# KiCad board UniDebug.kicad_pcb (continued)
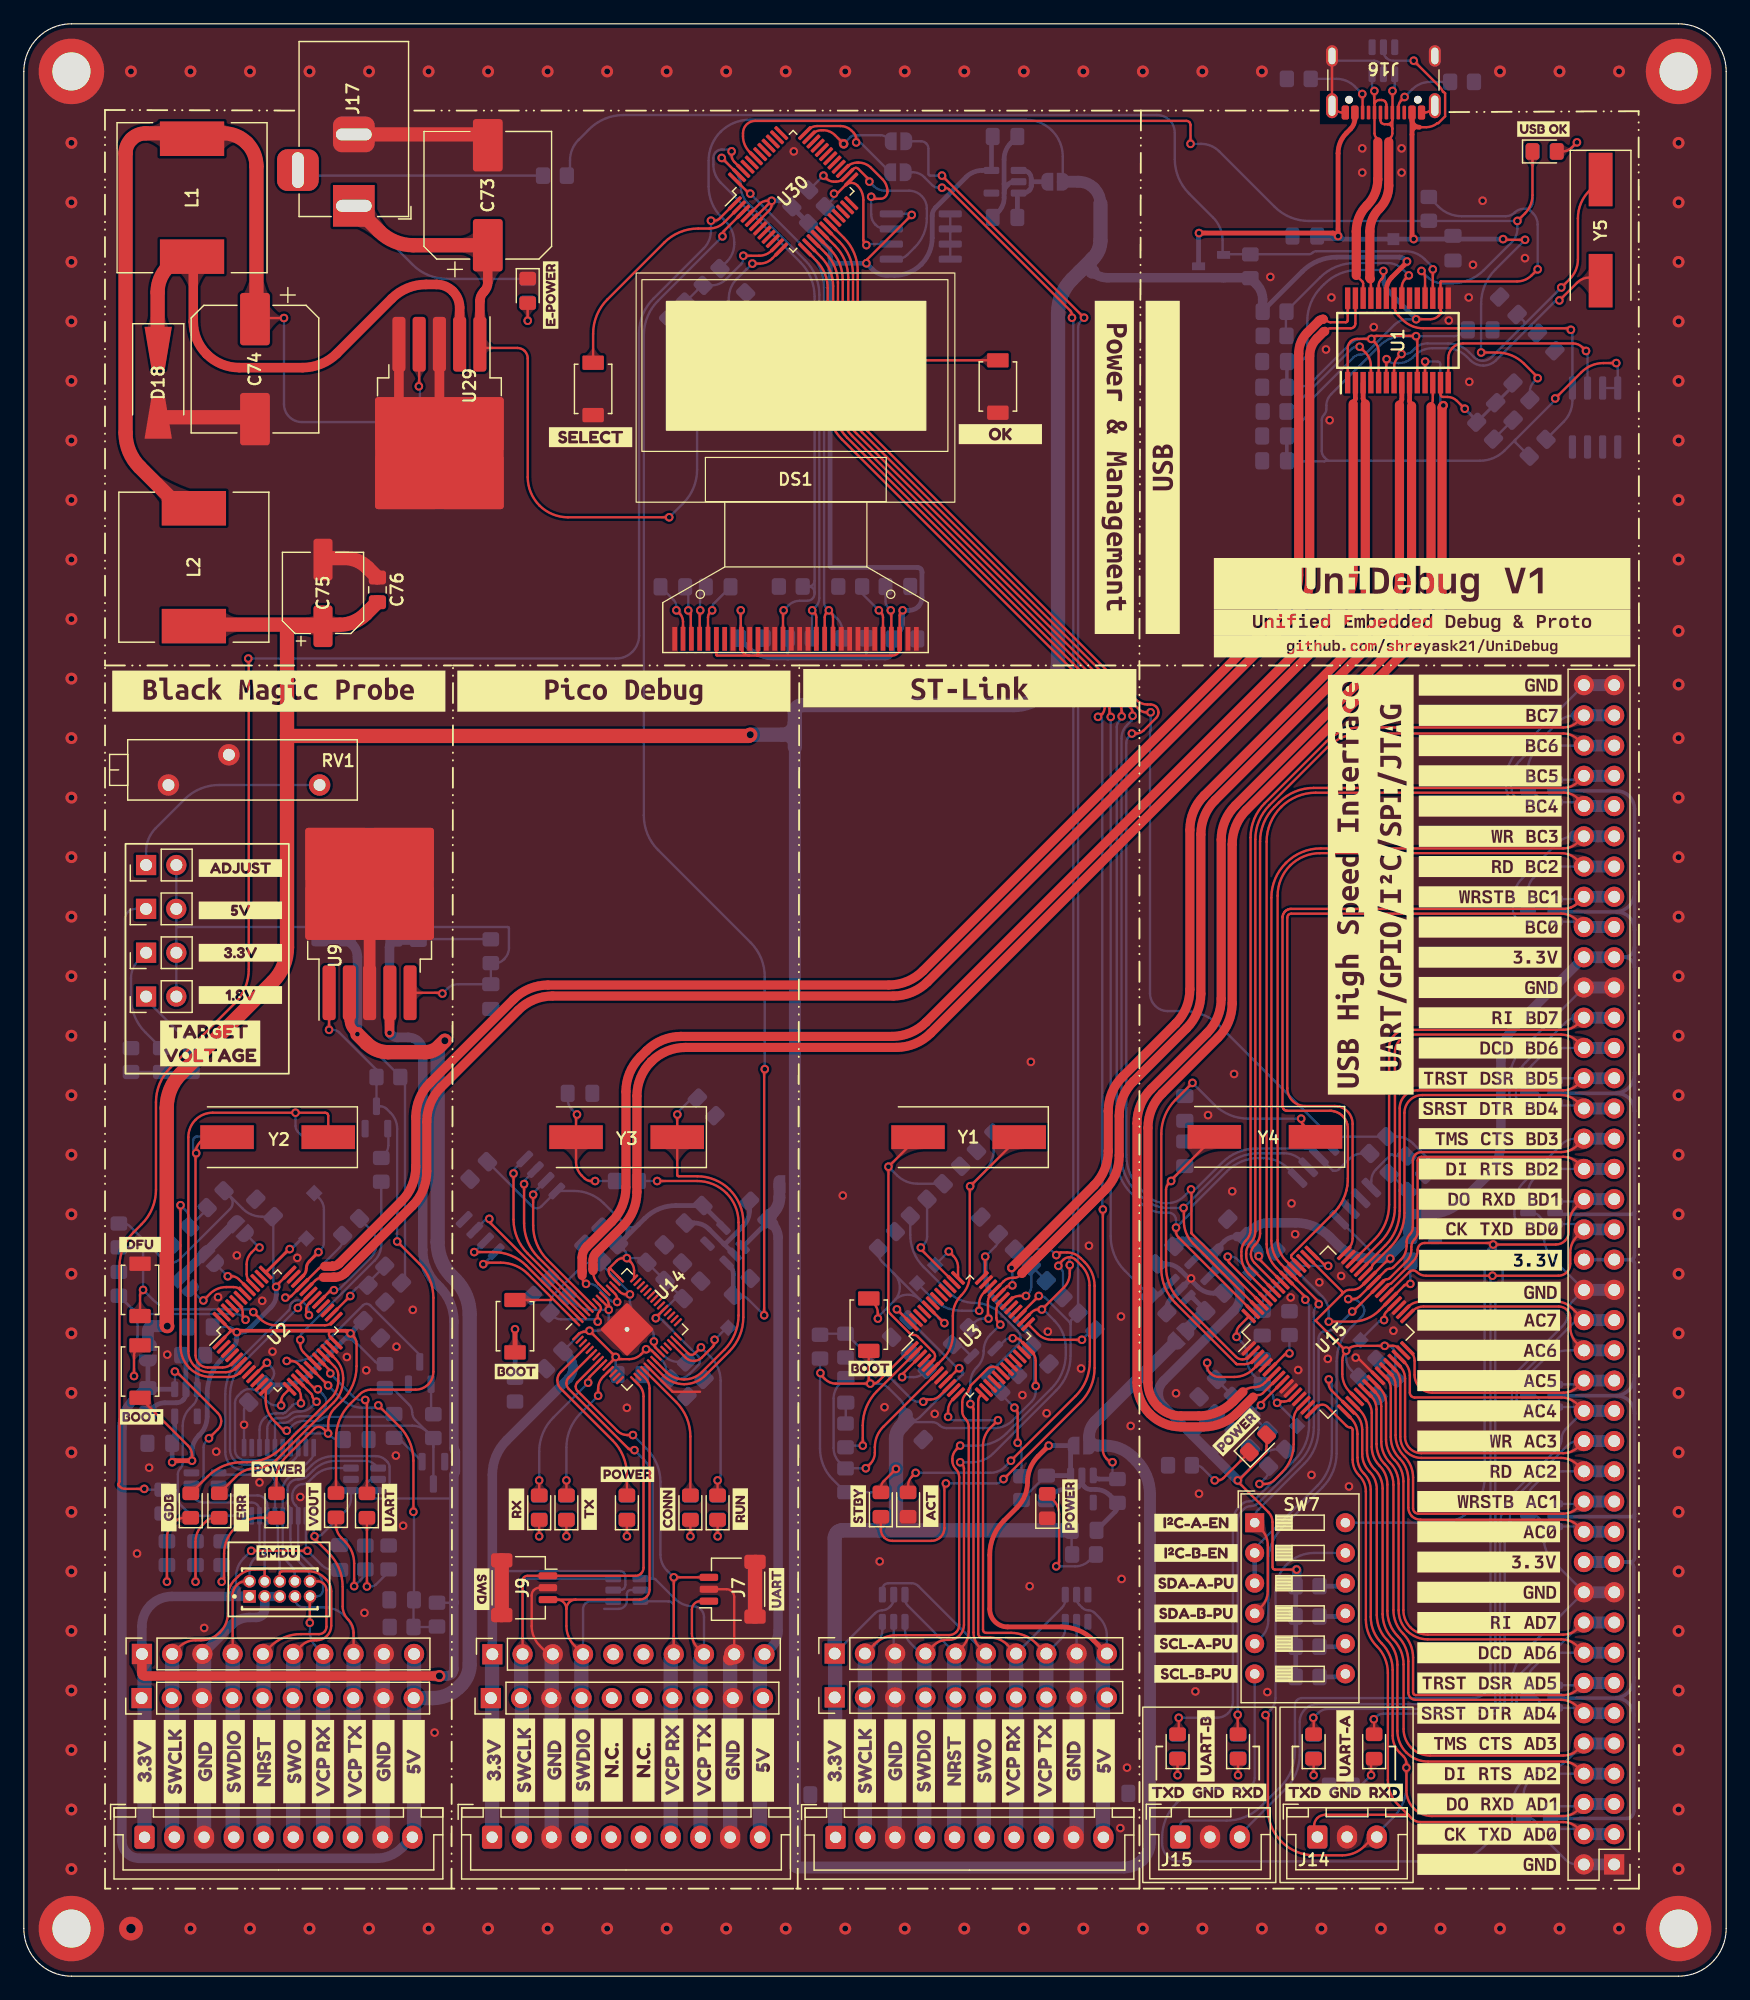
[diagram p0: board, top side]
## Placement (name value [footprint] x y rotation side) (continued)
kibuzzard-658482B5  G***  [kibuzzard-658482B5]  49.39 18.15 90 top
kibuzzard-658482C0  G***  [kibuzzard-658482C0]  52.06 18.15 90 top
kibuzzard-658482F2  G***  [kibuzzard-658482F2]  63.23 32.5 90 top
kibuzzard-658835E8  G***  [kibuzzard-658835E8]  91.6 126.74 270 top
kibuzzard-658892E2  G***  [kibuzzard-658892E2]  47.61 129.28 0 top
kibuzzard-658892F7  G***  [kibuzzard-658892F7]  82.03 129.53 0 top
kibuzzard-6584807D  G***  [kibuzzard-6584807D]  60.18 39.23 90 top
kibuzzard-65844230  G***  [kibuzzard-65844230]  79.46 108.2 0 top
kibuzzard-65848076  G***  [kibuzzard-65848076]  54.09 39.23 90 top
kibuzzard-65848304  G***  [kibuzzard-65848304]  38.47 32.5 270 top
kibuzzard-65848476  G***  [kibuzzard-65848476]  50.4 107.94 0 top
kibuzzard-65848611  G***  [kibuzzard-65848611]  9.89 46.98 0 top
kibuzzard-65848611#2  G***  [kibuzzard-65848611]  41.39 50.79 0 top
kibuzzard-65848611#3  G***  [kibuzzard-65848611]  71.11 51.05 0 top
kibuzzard-65883624  G***  [kibuzzard-65883624]  95.67 126.74 90 top
kibuzzard-65889340  G***  [kibuzzard-65889340]  9.76 61.46 0 top
L1  33uH  [L_12x12mm_H4.5mm]  14.13 149.39 90 top
L2  3uH  [L_12x12mm_H4.5mm]  14.29 118.36 270 top
Q1  BC847  [SOT-23]  80.94 52.06 45 bottom
Q2  BC847  [SOT-23]  34.4 42.28 270 bottom
Q3  BC847  [SOT-23]  33.26 50.66 90 bottom
Q4  BC847  [SOT-23]  29.62 72.13 90 bottom
Q5  DMP2305U-7  [SOT96P240X110-3N]  99.73 143.63 180 bottom
R1  100K  [R_0805_2012Metric_Pad1.20x1.40mm_HandSolder]  69.03 41.65 90 bottom
R2  100K  [R_0805_2012Metric_Pad1.20x1.40mm_HandSolder]  72.5 61.84 225 bottom
R3  10K  [R_0805_2012Metric_Pad1.20x1.40mm_HandSolder]  66.88 52.88 270 bottom
R4  10K  [R_0805_2012Metric_Pad1.20x1.40mm_HandSolder]  69.03 52.97 90 bottom
R5  10K  [R_0805_2012Metric_Pad1.20x1.40mm_HandSolder]  69.03 45.43 270 bottom
R6  10K  [R_0805_2012Metric_Pad1.20x1.40mm_HandSolder]  75.17 51.68 315 bottom
R7  100E  [R_0805_2012Metric_Pad1.20x1.40mm_HandSolder]  75.17 64.56 45 bottom
R8  2K  [R_0805_2012Metric_Pad1.20x1.40mm_HandSolder]  78.71 53.77 225 bottom
R9  36K  [R_0805_2012Metric_Pad1.20x1.40mm_HandSolder]  82.78 49.83 45 bottom
R10  10K  [R_0805_2012Metric_Pad1.20x1.40mm_HandSolder]  83.81 41 270 bottom
R11  100E  [R_0805_2012Metric_Pad1.20x1.40mm_HandSolder]  89.27 54.98 135 bottom
R12  330E  [R_0805_2012Metric_Pad1.20x1.40mm_HandSolder]  83.92 60.37 315 bottom
R13  330E  [R_0805_2012Metric_Pad1.20x1.40mm_HandSolder]  86.59 57.7 135 bottom
R14  330E  [R_0805_2012Metric_Pad1.20x1.40mm_HandSolder]  89.06 35.43 0 bottom
R15  10K  [R_0805_2012Metric_Pad1.20x1.40mm_HandSolder]  57.26 137.91 225 bottom
R16  10K  [R_0805_2012Metric_Pad1.20x1.40mm_HandSolder]  57.77 142.74 45 bottom
R17  10K  [R_0805_2012Metric_Pad1.20x1.40mm_HandSolder]  59.93 140.71 225 bottom
R18  10K  [R_0805_2012Metric_Pad1.20x1.40mm_HandSolder]  54.87 139.93 45 bottom
R19  330E  [R_0805_2012Metric_Pad1.20x1.40mm_HandSolder]  97.11 42.92 180 bottom
R20  100K  [R_0805_2012Metric_Pad1.20x1.40mm_HandSolder]  16.11 65.27 225 bottom
R21  100K  [R_0805_2012Metric_Pad1.20x1.40mm_HandSolder]  7.99 58.16 270 bottom
R24  1K  [R_0805_2012Metric_Pad1.20x1.40mm_HandSolder]  27.49 62.93 225 bottom
R25  10K  [R_0805_2012Metric_Pad1.20x1.40mm_HandSolder]  7.99 62.22 90 bottom
R26  10K  [R_0805_2012Metric_Pad1.20x1.40mm_HandSolder]  30.34 50.41 270 bottom
R27  10K  [R_0805_2012Metric_Pad1.20x1.40mm_HandSolder]  31.1 46.22 270 bottom
R28  100K  [R_0805_2012Metric_Pad1.20x1.40mm_HandSolder]  34.4 46.2 90 bottom
R29  10K  [R_0805_2012Metric_Pad1.20x1.40mm_HandSolder]  29.62 57.33 315 bottom
R30  5.1K  [R_0805_2012Metric_Pad1.20x1.40mm_HandSolder]  31.02 58.93 135 bottom
R31  10K  [R_0805_2012Metric_Pad1.20x1.40mm_HandSolder]  91.86 40.76 90 bottom
R32  1k  [R_0805_2012Metric_Pad1.20x1.40mm_HandSolder]  41.26 49.27 270 bottom
R33  330E  [R_0805_2012Metric_Pad1.20x1.40mm_HandSolder]  16.62 35.53 90 bottom
R34  10K  [R_0805_2012Metric_Pad1.20x1.40mm_HandSolder]  30.62 75.53 180 bottom
R35  10K  [R_0805_2012Metric_Pad1.20x1.40mm_HandSolder]  30.02 67.73 90 bottom
R36  1K  [R_0805_2012Metric_Pad1.20x1.40mm_HandSolder]  50.66 66.79 180 bottom
R39  330E  [R_0805_2012Metric_Pad1.20x1.40mm_HandSolder]  11.54 76.95 270 bottom
R40  10K  [R_0805_2012Metric_Pad1.20x1.40mm_HandSolder]  14.22 52.17 0 bottom
R41  10K  [R_0805_2012Metric_Pad1.20x1.40mm_HandSolder]  31.74 29.33 180 bottom
R42  5.1K  [R_0805_2012Metric_Pad1.20x1.40mm_HandSolder]  34.71 30.37 270 bottom
R43  200E  [R_0805_2012Metric_Pad1.20x1.40mm_HandSolder]  39.23 86.1 270 bottom
R44  100E  [R_0805_2012Metric_Pad1.20x1.40mm_HandSolder]  14.08 76.95 270 bottom
R45  620E  [R_0805_2012Metric_Pad1.20x1.40mm_HandSolder]  9 76.95 270 bottom
R46  330E  [R_0805_2012Metric_Pad1.20x1.40mm_HandSolder]  30.64 35.17 90 bottom
R47  10K  [R_0805_2012Metric_Pad1.20x1.40mm_HandSolder]  11.67 39.87 270 bottom
R48  330E  [R_0805_2012Metric_Pad1.20x1.40mm_HandSolder]  12.02 35.53 90 bottom
R49  330E  [R_0805_2012Metric_Pad1.20x1.40mm_HandSolder]  14.42 35.53 90 bottom
R50  330E  [R_0805_2012Metric_Pad1.20x1.40mm_HandSolder]  28.69 35.17 90 bottom
R55  330E  [R_0805_2012Metric_Pad1.20x1.40mm_HandSolder]  50.66 39.36 90 bottom
R56  330E  [R_0805_2012Metric_Pad1.20x1.40mm_HandSolder]  43.29 39.36 90 bottom
R57  330E  [R_0805_2012Metric_Pad1.20x1.40mm_HandSolder]  45.58 39.36 90 bottom
R58  330E  [R_0805_2012Metric_Pad1.20x1.40mm_HandSolder]  55.99 39.36 90 bottom
R59  330E  [R_0805_2012Metric_Pad1.20x1.40mm_HandSolder]  58.28 39.36 90 bottom
R60  10K  [R_0805_2012Metric_Pad1.20x1.40mm_HandSolder]  60.31 57.9 225 bottom
R61  1K  [R_0805_2012Metric_Pad1.20x1.40mm_HandSolder]  105.27 43.55 45 bottom
R62  12.00K  [R_0805_2012Metric_Pad1.20x1.40mm_HandSolder]  106.31 54.86 90 bottom
R63  2K  [R_0805_2012Metric_Pad1.20x1.40mm_HandSolder]  113.78 69.82 45 bottom
R64  10K  [R_0805_2012Metric_Pad1.20x1.40mm_HandSolder]  116.95 66.64 45 bottom
R67  330E  [R_0805_2012Metric_Pad1.20x1.40mm_HandSolder]  110.63 15.99 180 bottom
R68  330E  [R_0805_2012Metric_Pad1.20x1.40mm_HandSolder]  108.35 19.3 90 bottom
R69  330E  [R_0805_2012Metric_Pad1.20x1.40mm_HandSolder]  102 19.3 90 bottom
R70  330E  [R_0805_2012Metric_Pad1.20x1.40mm_HandSolder]  96.92 19.3 90 bottom
R71  10K  [R_0805_2012Metric_Pad1.20x1.40mm_HandSolder]  95.32 56.43 135 bottom
R72  680.00E  [R_0805_2012Metric_Pad1.20x1.40mm_HandSolder]  105.06 131.44 180 bottom
R73  10K  [R_0805_2012Metric_Pad1.20x1.40mm_HandSolder]  105.06 139.82 180 bottom
R74  20K  [R_0805_2012Metric_Pad1.20x1.40mm_HandSolder]  105.06 137.79 180 bottom
R75  1K  [R_0805_2012Metric_Pad1.20x1.40mm_HandSolder]  44.61 151.25 0 bottom
R76  100K  [R_0805_2012Metric_Pad1.20x1.40mm_HandSolder]  103.03 143.63 90 bottom
R77  5.1K  [R_0805_2012Metric_Pad1.20x1.40mm_HandSolder]  107.1 159.38 0 bottom
R78  5.1K  [R_0805_2012Metric_Pad1.20x1.40mm_HandSolder]  120.81 159.12 0 bottom
R79  10K  [R_0805_2012Metric_Pad1.20x1.40mm_HandSolder]  125.8 133.12 315 bottom
R80  100K  [R_0805_2012Metric_Pad1.20x1.40mm_HandSolder]  122.75 129.82 135 bottom
R81  330E  [R_0805_2012Metric_Pad1.20x1.40mm_HandSolder]  127.75 153.27 0 bottom
R82  100K  [R_0805_2012Metric_Pad1.20x1.40mm_HandSolder]  118.02 148.46 270 bottom
R83  1K  [R_0805_2012Metric_Pad1.20x1.40mm_HandSolder]  127.16 128.39 225 bottom
R84  330E  [R_0805_2012Metric_Pad1.20x1.40mm_HandSolder]  32.07 130.55 180 bottom
R85  1K  [R_0805_2012Metric_Pad1.20x1.40mm_HandSolder]  35.82 130.55 180 bottom
R86  2K  [R_0805_2012Metric_Pad1.20x1.40mm_HandSolder]  42.33 141.57 270 bottom
R87  560K  [R_0805_2012Metric_Pad1.20x1.40mm_HandSolder]  69.42 116.73 0 bottom
R88  10K  [R_0805_2012Metric_Pad1.20x1.40mm_HandSolder]  64.42 116.73 0 bottom
R89  10K  [R_0805_2012Metric_Pad1.20x1.40mm_HandSolder]  65.19 112.39 0 bottom
R90  10K  [R_0805_2012Metric_Pad1.20x1.40mm_HandSolder]  69.76 112.39 180 bottom
R91  10K  [R_0805_2012Metric_Pad1.20x1.40mm_HandSolder]  65.22 149.33 45 bottom
R92  10K  [R_0805_2012Metric_Pad1.20x1.40mm_HandSolder]  66.62 147.93 45 bottom
R93  5.1K  [R_0805_2012Metric_Pad1.20x1.40mm_HandSolder]  107.84 32.76 0 bottom
R94  5.1K  [R_0805_2012Metric_Pad1.20x1.40mm_HandSolder]  107.84 30.22 0 bottom
R95  5.1K  [R_0805_2012Metric_Pad1.20x1.40mm_HandSolder]  107.84 27.68 0 bottom
R96  5.1K  [R_0805_2012Metric_Pad1.20x1.40mm_HandSolder]  107.84 25.14 0 bottom
RV1  1K  [Potentiometer_Bourns_3006P_Horizontal]  24.85 100.06 0 top
SW1  BUTTON  [TS342A2P]  70.98 54.73 90 top
SW2  BUTTON  [TS342A2P]  9.76 50.79 90 top
SW3  BUTTON  [TS342A2P]  9.76 57.65 90 top
SW4  BUTTON  [TS342A2P]  41.26 54.6 270 top
SW5  BUTTON  [TS342A2P]  47.82 133.33 90 top
SW6  BUTTON  [TS342A2P]  81.82 133.53 90 top
SW7  SW_DIP_x04  [SW_DIP_SPSTx06_Slide_9.78x17.42mm_W7.62mm_P2.54mm]  103.39 38.09 0 top
TP1  SWCLK  [TestPoint_Pad_1.0x1.0mm]  76.55 59.74 225 bottom
TP2  SWDIO  [TestPoint_Pad_1.0x1.0mm]  75.03 58.21 225 bottom
TP6  SWCLK  [TestPoint_Pad_1.0x1.0mm]  23.73 61.97 225 bottom
TP7  SWDIO  [TestPoint_Pad_1.0x1.0mm]  24.39 65.78 225 bottom
TP13  RST  [TestPoint_Pad_1.0x1.0mm]  59.17 54.47 45 bottom
TP14  PWREN  [TestPoint_Pad_1.0x1.0mm]  103.03 59.1 225 bottom
TP17  SUS  [TestPoint_Pad_1.0x1.0mm]  112.28 53.43 225 bottom
TP18  1V8  [TestPoint_Pad_1.0x1.0mm]  106.95 46.22 225 bottom
TP21  USBVBUS  [TestPoint_Pad_1.0x1.0mm]  115.05 145.91 180 bottom
U1  -  [GL850G-HH]  115.43 137.41 90 top
U2  STM32F103CBTx  [LQFP-48_7x7mm_P0.5mm]  21.32 54.22 45 top
U3  STM32F103CBTx  [LQFP-48_7x7mm_P0.5mm]  79.47 53.77 45 top
U4  LP5907MFX-3.3  [SOT-23-5]  88.88 40.92 270 bottom
U5  SRV05-4  [SOT-23-6]  73.07 30.91 90 bottom
U6  SRV05-4  [SOT-23-6]  88.44 30.91 90 bottom
U7  SRV05-4  [SOT-23-6]  28.62 41.73 0 bottom
U8  SRV05-4  [SOT-23-6]  15.22 41.33 180 bottom
U9  MIC29302WU  [TO-263-5_TabPin3]  29.05 90.26 90 top
U10  TXS0108EPW  [TSSOP-20_4.4x6.5mm_P0.65mm]  21.42 41.53 90 bottom
U11  SRV05-4  [SOT-23-6]  50.65 32.44 180 bottom
U12  LP5907MFX-3.3  [SOT-23-5]  13.62 48.17 270 bottom
U13  W25Q128JVS  [SOIC-8_5.23x5.23mm_P1.27mm]  40.88 64.76 45 bottom
U14  RP2040  [RP2040-QFN-56]  50.67 54.34 45 top
U15  FT2232HL  [LQFP-64_10x10mm_P0.5mm]  109.55 54.09 45 top
U16  LP5907MFX-3.3  [SOT-23-5]  58.91 61.4 135 bottom
U17  93LC66B  [SOIC-8_3.9x4.9mm_P1.27mm]  110.09 66.64 315 bottom
U18  SRV05-4  [SOT-23-6]  127.49 99.56 0 bottom
U19  SRV05-4  [SOT-23-6]  127.49 89.53 0 bottom
U20  SRV05-4  [SOT-23-6]  127.49 74.29 0 bottom
U21  SRV05-4  [SOT-23-6]  127.49 64.13 0 bottom
U22  SRV05-4  [SOT-23-6]  127.49 48.76 0 bottom
U23  SRV05-4  [SOT-23-6]  127.49 38.73 0 bottom
U24  SRV05-4  [SOT-23-6]  127.49 23.49 0 bottom
U25  SRV05-4  [SOT-23-6]  127.11 13.33 0 bottom
U26  LP5907MFX-3.3  [SOT-23-5]  97.96 58.52 45 bottom
U27  SRV05-4  [SOT-23-6]  114.21 160.9 90 bottom
U28  M24C02-FMN  [SOIC-8_3.9x4.9mm_P1.27mm]  131.99 130.93 90 bottom
U29  LM2596S-5  [TO-263-5_TabPin3]  34.91 129.43 270 top
U30  STM32G030C6Tx  [LQFP-48_7x7mm_P0.5mm]  64.62 149.93 45 top
U31  24LC128  [SOIC-8_3.9x4.9mm_P1.27mm]  75.35 146.13 180 bottom
U32  LP5907MFX-3.3  [SOT-23-5]  82.42 150.73 180 bottom
Y1  8M  [Crystal_SMD_HC49-SD]  79.36 70.48 180 top
Y2  8M  [Crystal_SMD_HC49-SD]  21.32 70.48 180 top
Y3  12MHz  [Crystal_SMD_HC49-SD]  50.64 70.48 180 top
Y4  12MHz  [Crystal_SMD_HC49-SD]  104.25 70.5 180 top
Y5  12MHz  [Crystal_SMD_HC49-SD]  132.45 146.67 270 top

## Library data of the parts
C1-C45 C47-C53 C56-C72 C76-C83 = -: Description: Unpolarized capacitor
C73-C75 = -: Description: Polarized capacitor, small US symbol
D1-D17 D19-D21 = -: Description: Light emitting diode
D18 = -: Description: Schottky diode
DS1 = -: Description: OLED display 128x64
FB1 FB2 = -: Description: Ferrite bead, small symbol
H1-H4 = -: Description: Mounting Hole with connection
J1-J6 J10-J12 = -: Description: Generic connector, single row, 01x10, script generated (kicad-library-utils/schlib/autogen/connector/)
J7 J9 = -: Description: Generic connectable mounting pin connector, single row, 01x03, script generated (kicad-library-utils/schlib/autogen/connector/)
J8 = -: MANUFACTURER: SAMTEC; PARTREV: B; STANDARD: Manufacturer Recommendations
J13 = -: Description: Generic connector, double row, 02x40, odd/even pin numbering scheme (row 1 odd numbers, row 2 even numbers), script generated (kicad-library-utils/schlib/autogen/connector/)
J14 J15 = -: Description: Generic connector, single row, 01x03, script generated (kicad-library-utils/schlib/autogen/connector/)
J16 = -: Description: USB 2.0-only Type-C Receptacle connector
J17 = -: Description: DC Barrel Jack with an internal switch
JP1-JP6 JP11-JP14 = -: Description: Solder Jumper, 2-pole, closed/bridged
JP7 = -: Description: Jumper, 2-pole, closed/bridged
JP8-JP10 = -: Description: Jumper, 2-pole, open
L1 L2 = -: Description: Inductor
Q1-Q4 = -: Description: 0.1A Ic, 45V Vce, NPN Transistor, SOT-23
Q5 = -: Description: MOSFET P-Channel 20V 4.2A SOT23 Diodes Inc DMP2305U-7 P-channel MOSFET Transistor, 4.2 A, -20 V, 3-Pin SOT-23; Arrow Price/Stock: https://www.arrow.com/en/products/dmp2305u-7/diodes-incorporated?region=nac; Height: 1.1; Manufacturer_Name: Diodes Incorporated; Mouser Part Number: 621-DMP2305U-7; Mouser Price/Stock: https://www.mouser.co.uk/ProductDetail/Diodes-Incorporated/DMP2305U-7?qs=oUsD4qhOtFyFQmlG8wLVjw%3D%3D
R1-R21 R24-R36 R39-R50 R55-R64 R67-R96 = -: Description: Resistor
RV1 = -: Description: Trim-potentiometer, US symbol
SW1-SW6 = -: Description: Push button switch, normally open, two pins, 45° tilted
SW7 = -: Description: 6x DIP Switch, Single Pole Single Throw (SPST) switch, small symbol
TP1 TP2 TP6 TP7 TP13 TP14 TP17 TP18 TP21 = -: Description: test point (alternative probe-style design)
U1 = -: Description: GL850G USB 2.0 Low-Power HUB Controller, SSOP-28; Height: 2; Manufacturer_Name: Genesys
U2 U3 = -: Description: STMicroelectronics Arm Cortex-M3 MCU, 128KB flash, 20KB RAM, 72 MHz, 2.0-3.6V, 37 GPIO, LQFP48
U4 U12 U16 U26 U32 = -: Description: 250-mA Ultra-Low-Noise Low-IQ LDO, 3.3V, SOT-23
U5-U8 U11 U18-U25 U27 = -: Description: ESD Protection Diodes with Low Clamping Voltage, SOT-23-6
U9 = -: Description: 3A low dropout linear regulator, adjustable output, TO-263
U10 = -: Description: Bidirectional  level-shifting voltage translator, TSSOP-20
U13 = -: Description: 128Mb Serial Flash Memory, Standard/Dual/Quad SPI, SOIC-8
U15 = -: Description: Hi Speed Double Channel USB UART/FIFO, LQFP-64
U17 = -: Description: Serial EEPROM, 93 Series, 2.5V, DIP-8/SOIC-8
U28 = -: Description: 2Kb (256x8) I2C Serial EEPROM, 1.6-5.5V, SOIC-8
U29 = -: Description: 5V 3A Step-Down Voltage Regulator, TO-263
U30 = -: Description: STMicroelectronics Arm Cortex-M0+ MCU, 32KB flash, 8KB RAM, 64 MHz, 2.0-3.6V, 43 GPIO, LQFP48
U31 = -: Description: I2C Serial EEPROM, 128Kb, DIP-8/SOIC-8/TSSOP-8/DFN-8
Y1-Y5 = -: Description: Two pin crystal, small symbol

## Footprints (pads in the part's own frame, mm; a bottom-side part is the same pattern mirrored in y, then rotated)
BarrelJack_Horizontal
  rect 3.5x3.5 hole 1x3: 1(0,0)
  rrect 3x3.5 hole 1x3: 2(-6,0)
  rrect 3.5x3.5 hole 3x1: 3(-3,-4.7)
C_0805_2012Metric_Pad1.18x1.45mm_HandSolder
  rrect 1.175x1.45 smd: 1(-1.038,0) 2(1.038,0)
CP_Elec_6.3x5.4
  rrect 3.5x1.6 smd: 1(-2.8,0) 2(2.8,0)
CP_Elec_10x10.5
  rrect 4.4x2.5 smd: 1(-4.2,0) 2(4.2,0)
Crystal_SMD_HC49-SD
  rect 4.5x2 smd: 1(-4.25,0) 2(4.25,0)
D_SMA-SMB_Universal_Handsoldering
  trapezoid 3.6x1.7 smd: 1(-2.9,0) 2(2.9,0)
FTSH-105-01-L-D
  rect 1.06x1.06 hole 0.71: 01(0,0)
  round 1.06 hole 0.71: 02(0,1.27) 03(1.27,0) 04(1.27,1.27) 05(2.54,0) 06(2.54,1.27) 07(3.81,0) 08(3.81,1.27) 09(5.08,0) 10(5.08,1.27)
GL850G-HH
  rect 1.8x0.45 smd: 1(-3.55,4.225) 2(-3.55,3.575) 3(-3.55,2.925) 4(-3.55,2.275) 5(-3.55,1.625) 6(-3.55,0.975) 7(-3.55,0.325) 8(-3.55,-0.325) 9(-3.55,-0.975) 10(-3.55,-1.625) 11(-3.55,-2.275) 12(-3.55,-2.925) 13(-3.55,-3.575) 14(-3.55,-4.225) 15(3.55,-4.225) 16(3.55,-3.575) 17(3.55,-2.925) 18(3.55,-2.275) 19(3.55,-1.625) 20(3.55,-0.975) 21(3.55,-0.325) 22(3.55,0.325) 23(3.55,0.975) 24(3.55,1.625) 25(3.55,2.275) 26(3.55,2.925) 27(3.55,3.575) 28(3.55,4.225)
JST_SH_SM03B-SRSS-TB_1x03-1MP_P1.00mm_Horizontal
  rrect 0.6x1.55 smd: 1(-1,2) 2(0,2) 3(1,2)
  rrect 1.2x1.8 smd: MP(-2.3,-1.875) MP(2.3,-1.875)
JST_XH_B3B-XH-A_1x03_P2.50mm_Vertical
  rrect 1.7x1.95 hole 0.95: 1(0,0)
  oval 1.7x1.95 hole 0.95: 2(2.5,0) 3(5,0)
JST_XH_B10B-XH-A_1x10_P2.50mm_Vertical
  rrect 1.7x1.95 hole 0.95: 1(0,0)
  oval 1.7x1.95 hole 0.95: 2(2.5,0) 3(5,0) 4(7.5,0) 5(10,0) 6(12.5,0) 7(15,0) 8(17.5,0) 9(20,0) 10(22.5,0)
L_12x12mm_H4.5mm
  rect 2.9x5.4 smd: 1(-4.95,0) 2(4.95,0)
L_0805_2012Metric_Pad1.15x1.40mm_HandSolder
  rrect 1.15x1.4 smd: 1(-1.025,0) 2(1.025,0)
LED_0805_2012Metric_Pad1.15x1.40mm_HandSolder
  rrect 1.15x1.4 smd: 1(-1.025,0) 2(1.025,0)
LQFP-48_7x7mm_P0.5mm
  rrect 1.475x0.3 smd: 1(-4.162,2.75) 2(-4.162,2.25) 3(-4.162,1.75) 4(-4.162,1.25) 5(-4.162,0.75) 6(-4.162,0.25) 7(-4.162,-0.25) 8(-4.162,-0.75) 9(-4.162,-1.25) 10(-4.162,-1.75) 11(-4.162,-2.25) 12(-4.162,-2.75) 25(4.162,-2.75) 26(4.162,-2.25) 27(4.162,-1.75) 28(4.162,-1.25) 29(4.162,-0.75) 30(4.162,-0.25) 31(4.162,0.25) 32(4.162,0.75) 33(4.162,1.25) 34(4.162,1.75) 35(4.162,2.25) 36(4.162,2.75)
  rrect 0.3x1.475 smd: 13(-2.75,-4.162) 14(-2.25,-4.162) 15(-1.75,-4.162) 16(-1.25,-4.162) 17(-0.75,-4.162) 18(-0.25,-4.162) 19(0.25,-4.162) 20(0.75,-4.162) 21(1.25,-4.162) 22(1.75,-4.162) 23(2.25,-4.162) 24(2.75,-4.162) 37(2.75,4.162) 38(2.25,4.162) 39(1.75,4.162) 40(1.25,4.162) 41(0.75,4.162) 42(0.25,4.162) 43(-0.25,4.162) 44(-0.75,4.162) 45(-1.25,4.162) 46(-1.75,4.162) 47(-2.25,4.162) 48(-2.75,4.162)
LQFP-64_10x10mm_P0.5mm
  rrect 1.55x0.3 smd: 1(-5.675,3.75) 2(-5.675,3.25) 3(-5.675,2.75) 4(-5.675,2.25) 5(-5.675,1.75) 6(-5.675,1.25) 7(-5.675,0.75) 8(-5.675,0.25) 9(-5.675,-0.25) 10(-5.675,-0.75) 11(-5.675,-1.25) 12(-5.675,-1.75) 13(-5.675,-2.25) 14(-5.675,-2.75) 15(-5.675,-3.25) 16(-5.675,-3.75) 33(5.675,-3.75) 34(5.675,-3.25) 35(5.675,-2.75) 36(5.675,-2.25) 37(5.675,-1.75) 38(5.675,-1.25) 39(5.675,-0.75) 40(5.675,-0.25) 41(5.675,0.25) 42(5.675,0.75) 43(5.675,1.25) 44(5.675,1.75) 45(5.675,2.25) 46(5.675,2.75) 47(5.675,3.25) 48(5.675,3.75)
  rrect 0.3x1.55 smd: 17(-3.75,-5.675) 18(-3.25,-5.675) 19(-2.75,-5.675) 20(-2.25,-5.675) 21(-1.75,-5.675) 22(-1.25,-5.675) 23(-0.75,-5.675) 24(-0.25,-5.675) 25(0.25,-5.675) 26(0.75,-5.675) 27(1.25,-5.675) 28(1.75,-5.675) 29(2.25,-5.675) 30(2.75,-5.675) 31(3.25,-5.675) 32(3.75,-5.675) 49(3.75,5.675) 50(3.25,5.675) 51(2.75,5.675) 52(2.25,5.675) 53(1.75,5.675) 54(1.25,5.675) 55(0.75,5.675) 56(0.25,5.675) 57(-0.25,5.675) 58(-0.75,5.675) 59(-1.25,5.675) 60(-1.75,5.675) 61(-2.25,5.675) 62(-2.75,5.675) 63(-3.25,5.675) 64(-3.75,5.675)
MountingHole_3.2mm_M3_ISO14580_Pad_TopBottom
  round 3.6 hole 3.2: 1(0,0)
  round 5.5 smd: 1(0,0)
  round 5.5 smd far side: 1(0,0)
OLED-128O064D
  rect 0.4x2 smd: 1(-10.15,0) 2(-9.45,0) 3(-8.75,0) 4(-8.05,0) 5(-7.35,0) 6(-6.65,0) 7(-5.95,0) 8(-5.25,0) 9(-4.55,0) 10(-3.85,0) 11(-3.15,0) 12(-2.45,0) 13(-1.75,0) 14(-1.05,0) 15(-0.35,0) 16(0.35,0) 17(1.05,0) 18(1.75,0) 19(2.45,0) 20(3.15,0) 21(3.85,0) 22(4.55,0) 23(5.25,0) 24(5.95,0) 25(6.65,0) 26(7.35,0) 27(8.05,0) 28(8.75,0) 29(9.45,0) 30(10.15,0)
PinHeader_1x02_P2.54mm_Vertical
  rect 1.7x1.7 hole 1: 1(0,0)
  oval 1.7x1.7 hole 1: 2(0,-2.54)
PinHeader_1x10_P2.54mm_Vertical
  rect 1.7x1.7 hole 1: 1(0,0)
  oval 1.7x1.7 hole 1: 2(0,-2.54) 3(0,-5.08) 4(0,-7.62) 5(0,-10.16) 6(0,-12.7) 7(0,-15.24) 8(0,-17.78) 9(0,-20.32) 10(0,-22.86)
PinHeader_2x40_P2.54mm_Vertical
  rect 1.7x1.7 hole 1: 1(0,0)
  oval 1.7x1.7 hole 1: 2(2.54,0) 3(0,-2.54) 4(2.54,-2.54) 5(0,-5.08) 6(2.54,-5.08) 7(0,-7.62) 8(2.54,-7.62) 9(0,-10.16) 10(2.54,-10.16) 11(0,-12.7) 12(2.54,-12.7) 13(0,-15.24) 14(2.54,-15.24) 15(0,-17.78) 16(2.54,-17.78) 17(0,-20.32) 18(2.54,-20.32) 19(0,-22.86) 20(2.54,-22.86) 21(0,-25.4) 22(2.54,-25.4) 23(0,-27.94) 24(2.54,-27.94) 25(0,-30.48) 26(2.54,-30.48) 27(0,-33.02) 28(2.54,-33.02) 29(0,-35.56) 30(2.54,-35.56) 31(0,-38.1) 32(2.54,-38.1) 33(0,-40.64) 34(2.54,-40.64) 35(0,-43.18) 36(2.54,-43.18) 37(0,-45.72) 38(2.54,-45.72) 39(0,-48.26) 40(2.54,-48.26) 41(0,-50.8) 42(2.54,-50.8) 43(0,-53.34) 44(2.54,-53.34) 45(0,-55.88) 46(2.54,-55.88) 47(0,-58.42) 48(2.54,-58.42) 49(0,-60.96) 50(2.54,-60.96) 51(0,-63.5) 52(2.54,-63.5) 53(0,-66.04) 54(2.54,-66.04) 55(0,-68.58) 56(2.54,-68.58) 57(0,-71.12) 58(2.54,-71.12) 59(0,-73.66) 60(2.54,-73.66) 61(0,-76.2) 62(2.54,-76.2) 63(0,-78.74) 64(2.54,-78.74) 65(0,-81.28) 66(2.54,-81.28) 67(0,-83.82) 68(2.54,-83.82) 69(0,-86.36) 70(2.54,-86.36) 71(0,-88.9) 72(2.54,-88.9) 73(0,-91.44) 74(2.54,-91.44) 75(0,-93.98) 76(2.54,-93.98) 77(0,-96.52) 78(2.54,-96.52) 79(0,-99.06) 80(2.54,-99.06)
PinSocket_1x10_P2.54mm_Vertical
  rect 1.7x1.7 hole 1: 1(0,0)
  oval 1.7x1.7 hole 1: 2(0,-2.54) 3(0,-5.08) 4(0,-7.62) 5(0,-10.16) 6(0,-12.7) 7(0,-15.24) 8(0,-17.78) 9(0,-20.32) 10(0,-22.86)
Potentiometer_Bourns_3006P_Horizontal
  round 1.8 hole 1: 1(0,0) 2(-7.62,2.54) 3(-12.7,0)
R_0805_2012Metric_Pad1.20x1.40mm_HandSolder
  rrect 1.2x1.4 smd: 1(-1,0) 2(1,0)
RP2040-QFN-56
  rrect 1.084x1.084 smd: (-0.637,0.637) (-0.637,-0.637) (0.637,0.637) (0.637,-0.637)
  rrect 0.875x0.2 smd: 1(-3.438,2.6) 2(-3.438,2.2) 3(-3.438,1.8) 4(-3.438,1.4) 5(-3.438,1) 6(-3.438,0.6) 7(-3.438,0.2) 8(-3.438,-0.2) 9(-3.438,-0.6) 10(-3.438,-1) 11(-3.438,-1.4) 12(-3.438,-1.8) 13(-3.438,-2.2) 14(-3.438,-2.6) 29(3.438,-2.6) 30(3.438,-2.2) 31(3.438,-1.8) 32(3.438,-1.4) 33(3.438,-1) 34(3.438,-0.6) 35(3.438,-0.2) 36(3.438,0.2) 37(3.438,0.6) 38(3.438,1) 39(3.438,1.4) 40(3.438,1.8) 41(3.438,2.2) 42(3.438,2.6)
  rrect 0.2x0.875 smd: 15(-2.6,-3.438) 16(-2.2,-3.438) 17(-1.8,-3.438) 18(-1.4,-3.438) 19(-1,-3.438) 20(-0.6,-3.438) 21(-0.2,-3.438) 22(0.2,-3.438) 23(0.6,-3.438) 24(1,-3.438) 25(1.4,-3.438) 26(1.8,-3.438) 27(2.2,-3.438) 28(2.6,-3.438) 43(2.6,3.438) 44(2.2,3.438) 45(1.8,3.438) 46(1.4,3.438) 47(1,3.438) 48(0.6,3.438) 49(0.2,3.438) 50(-0.2,3.438) 51(-0.6,3.438) 52(-1,3.438) 53(-1.4,3.438) 54(-1.8,3.438) 55(-2.2,3.438) 56(-2.6,3.438)
  round 0.8 hole 0.4: 57(0,0)
  rrect 3.2x3.2 smd: 57(0,0)
SOIC-8_3.9x4.9mm_P1.27mm
  rrect 1.95x0.6 smd: 1(-2.475,1.905) 2(-2.475,0.635) 3(-2.475,-0.635) 4(-2.475,-1.905) 5(2.475,-1.905) 6(2.475,-0.635) 7(2.475,0.635) 8(2.475,1.905)
SOIC-8_5.23x5.23mm_P1.27mm
  rrect 1.6x0.6 smd: 1(-3.6,1.905) 2(-3.6,0.635) 3(-3.6,-0.635) 4(-3.6,-1.905) 5(3.6,-1.905) 6(3.6,-0.635) 7(3.6,0.635) 8(3.6,1.905)
SolderJumper-2_P1.3mm_Open_RoundedPad1.0x1.5mm
  custom 1x1.5 smd: 1(-0.65,0) 2(0.65,0)
SolderJumper-2_P1.3mm_Open_RoundedPad1.0x1.5mm#2
  custom 1x1.5 smd: 1(-0.65,0) 2(0.65,0)
SOT96P240X110-3N
  rect 1.1x0.65 smd: 1(-1.05,0.96) 2(-1.05,-0.96) 3(1.05,0)
SOT-23
  rrect 1.475x0.6 smd: 1(-0.938,0.95) 2(-0.938,-0.95) 3(0.938,0)
SOT-23-5
  rrect 1.325x0.6 smd: 1(-1.137,0.95) 2(-1.137,0) 3(-1.137,-0.95) 4(1.137,-0.95) 5(1.137,0.95)
SOT-23-6
  rrect 1.325x0.6 smd: 1(-1.137,0.95) 2(-1.137,0) 3(-1.137,-0.95) 4(1.137,-0.95) 5(1.137,0) 6(1.137,0.95)
SW_DIP_SPSTx06_Slide_9.78x17.42mm_W7.62mm_P2.54mm
  rect 1.6x1.6 hole 0.8: 1(0,0)
  oval 1.6x1.6 hole 0.8: 2(0,-2.54) 3(0,-5.08) 4(0,-7.62) 5(0,-10.16) 6(0,-12.7) 7(7.62,-12.7) 8(7.62,-10.16) 9(7.62,-7.62) 10(7.62,-5.08) 11(7.62,-2.54) 12(7.62,0)
TestPoint_Pad_1.0x1.0mm
  rect 1x1 smd: 1(0,0)
TO-263-5_TabPin3
  rrect 4.6x1.1 smd: 1(-7.65,3.4) 2(-7.65,1.7) 3(-7.65,0) 4(-7.65,-1.7) 5(-7.65,-3.4)
  rrect 4.55x5.25 smd: 3(-0.925,2.775) 3(-0.925,-2.775) 3(3.925,2.775) 3(3.925,-2.775)
  rrect 9.4x10.8 smd: 3(1.5,0)
TS342A2P
  rrect 1.2x1.8 smd: 1(-2.2,0) 2(2.2,0)
TSSOP-20_4.4x6.5mm_P0.65mm
  rrect 1.475x0.4 smd: 1(-2.862,2.925) 2(-2.862,2.275) 3(-2.862,1.625) 4(-2.862,0.975) 5(-2.862,0.325) 6(-2.862,-0.325) 7(-2.862,-0.975) 8(-2.862,-1.625) 9(-2.862,-2.275) 10(-2.862,-2.925) 11(2.862,-2.925) 12(2.862,-2.275) 13(2.862,-1.625) 14(2.862,-0.975) 15(2.862,-0.325) 16(2.862,0.325) 17(2.862,0.975) 18(2.862,1.625) 19(2.862,2.275) 20(2.862,2.925)
USB_C_Receptacle_GCT_USB4105-xx-A_16P_TopMnt_Horizontal
  round 0.65 hole 0.65 unplated: (-2.89,2.605) (2.89,2.605)
  rrect 0.6x1.15 smd: A1(-3.2,3.68) A4(-2.4,3.68) A9(2.4,3.68) A12(3.2,3.68) B1(3.2,3.68) B4(2.4,3.68) B9(-2.4,3.68) B12(-3.2,3.68)
  rrect 0.3x1.15 smd: A5(-1.25,3.68) A6(-0.25,3.68) A7(0.25,3.68) A8(1.25,3.68) B5(1.75,3.68) B6(0.75,3.68) B7(-0.75,3.68) B8(-1.75,3.68)
  oval 1x2.1 hole 0.6x1.7: S1(-4.32,3.105) S1(4.32,3.105)
  oval 1x1.8 hole 0.6x1.4: S1(-4.32,-1.075) S1(4.32,-1.075)

## Nets
/Main_USB_HUB/3V3HUB: C65.1 C66.2 C67.2 C68.2 C69.1 R81.1 R82.1 R83.2 U1.1 U1.5 U1.10 U1.16 U1.24 U28.7 U28.8
GND: C1.2 C2.2 C3.2 C4.2 C5.2 C6.1 C7.1 C8.1 C9.2 C10.2 C11.1 C12.1 C13.2 C14.2 C15.2 C16.2 C17.2 C18.2 C19.2 C20.1 C21.2 C22.2 C23.2 C24.2 C25.2 C26.2 C27.1 C28.2 C29.1 C30.1 C31.2 C32.2 C33.2 C34.2 C35.2 C36.2 C37.2 C38.2 C39.2 C40.2 C41.2 C42.2 C43.2 C44.2 C45.2 C47.2 C48.2 C49.2 C50.2 C51.2 C52.2 C53.2 C56.1 C57.1 C58.1 C59.1 C60.2 C61.2 C62.2 C63.1 C64.1 C65.2 C66.1 C67.1 C68.1 C69.2 C70.2 C71.2 C72.2 C73.2 C74.2 C75.2 C76.2 C77.1 C80.1 C81.1 C82.2 C83.2 D2.1 D18.2 D19.1 D20.1 DS1.1 DS1.8 DS1.10 DS1.12 DS1.13 DS1.15 DS1.16 DS1.17 DS1.21 DS1.22 DS1.23 DS1.24 DS1.25 DS1.29 DS1.30 H1.1 H2.1 H3.1 H4.1 J1.3 J1.9 J2.3 J2.9 J3.3 J3.9 J4.3 J4.9 J5.3 J5.9 J6.3 J6.9 J7.2 J7.MP J8.03 J8.05 J9.2 J9.MP J10.3 J10.9 J11.3 J11.9 J12.3 J12.9 J13.1 J13.2 J13.19 J13.20 J13.39 J13.40 J13.59 J13.60 J13.79 J13.80 J14.2 J15.2 J16.A1 J16.A12 J16.B1 J16.B12 J16.S1 J17.2 JP2.1 JP3.1 JP4.1 Q2.2 Q3.2 Q4.2 R2.1 R4.1 R5.1 R6.1 R9.2 R17.1 R18.1 R19.2 R21.1 R29.2 R31.1 R32.2 R33.2 R39.2 R40.1 R41.2 R44.2 R45.2 R46.2 R47.2 R48.2 R49.2 R50.2 R55.2 R56.2 R57.2 R58.2 R59.2 R60.1 R62.2 R67.2 R68.2 R69.2 R70.2 R71.1 R72.2 R74.2 R77.1 R78.2 R80.1 R85.1 R87.1 R88.1 RV1.2 RV1.3 SW3.2 SW5.1 SW6.1 U1.15 U2.8 U2.23 U2.35 U2.47 U3.8 U3.20 U3.23 U3.35 U3.47 U4.2 U5.2 U6.2 U7.2 U8.2 U9.3 U10.11 U11.2 U12.2 U13.4 U14.19 U14.57 U15.1 U15.5 U15.10 U15.11 U15.13 U15.15 U15.25 U15.35 U15.47 U15.51 U16.2 U17.5 U18.2 U19.2 U20.2 U21.2 U22.2 U23.2 U24.2 U25.2 U26.2 U27.2 U28.1 U28.2 U28.3 U28.4 U29.3 U29.5 U30.7 U31.1 U31.2 U31.3 U31.4 U32.2
VBUS: C75.1 C76.1 JP1.1 JP5.1 JP6.1 JP11.2 JP12.2 L2.2 Q5.2 R16.2 R73.2 R76.1 U1.23
/BlackMagicProbe/BMP_5V: C22.1 C23.1 C24.1 J1.10 J5.10 J6.10 JP6.2 R30.1 R34.1 U8.5 U9.2 U12.1
/BlackMagicProbe/BMP_DN: U1.27 U2.32
/BlackMagicProbe/BMP_DP: R24.2 U1.28 U2.33
/BlackMagicProbe/BMP_LED0: D4.2 U2.20
/BlackMagicProbe/BMP_LED1: D5.2 U2.21
/BlackMagicProbe/BMP_LED2: D6.2 U2.22
/BlackMagicProbe/BMP_PWR_OUT: C20.2 C25.1 C26.1 J1.1 J5.1 J6.1 J8.01 R42.1 R43.1 U7.5 U9.4 U10.2
/BlackMagicProbe/BMP_RST_DRIVE: R27.1 U2.12
/BlackMagicProbe/BMP_RST_OUT: J1.5 J5.5 J6.5 J8.10 U7.4 U10.4
/BlackMagicProbe/BMP_RSTSNS: Q3.3 U2.17
/BlackMagicProbe/BMP_RXD: U2.31 U10.18
/BlackMagicProbe/BMP_RXD_OUT: J1.7 J5.7 J6.7 J8.09 U7.3 U10.3
/BlackMagicProbe/BMP_TCK: U2.15 U10.14
/BlackMagicProbe/BMP_TCK_OUT: J1.2 J5.2 J6.2 J8.04 U8.3 U10.7
/BlackMagicProbe/BMP_TDI: U2.13 U10.16
/BlackMagicProbe/BMP_TDI_OUT: J8.08 U7.6 U10.5
/BlackMagicProbe/BMP_TDO: U2.16 U10.15
/BlackMagicProbe/BMP_TDO_OUT: J1.6 J5.6 J6.6 J8.06 U8.1 U10.6
/BlackMagicProbe/BMP_TMS: U2.14 U10.13
/BlackMagicProbe/BMP_TMS_OUT: J1.4 J5.4 J6.4 J8.02 U8.4 U10.8
/BlackMagicProbe/BMP_TRST: Q2.3 R26.2 R28.1 U10.17
/BlackMagicProbe/BMP_TXD: U2.30 U10.20
/BlackMagicProbe/BMP_TXD_OUT: J1.8 J5.8 J6.8 J8.07 U7.1 U10.1
/BlackMagicProbe/BMP_VBUS: R29.1 R30.2 U2.26
/BlackMagicProbe/EN_BMP: R40.2 R47.1 U10.10 U12.3 U30.1
/BlackMagicProbe/TPWR_BR: R35.1 U2.19
/BlackMagicProbe/TPWR_EN: D7.2 Q4.3 R34.2 U9.1
/BlackMagicProbe/TPWR_SENSE: C27.2 R41.1 R42.2 U2.18
/BlackMagicProbe/~{BMP_SWCLK}: TP6.1 U2.37
/BlackMagicProbe/~{BMP_SWDIO}: TP7.1 U2.34
/BlackMagicProbe/~{BMP_VSYS}: C13.1 C14.1 C15.1 C16.1 C21.1 C28.1 D3.2 R20.1 R25.2 R26.1 SW2.1 U2.1 U2.9 U2.24 U2.36 U2.48 U10.19 U12.5
/Main_USB_HUB/EESCL: U1.14 U28.6
/Main_USB_HUB/EESDA: R83.1 U1.22 U28.5
/Main_USB_HUB/EXTPWR: C73.1 J17.1 R15.2 R86.1 U29.1
/Main_USB_HUB/HUBRST: C72.1 R79.1 R80.2 U1.13
/Main_USB_HUB/PDETECT: Q5.1 R75.2 R76.2 U1.17
/Main_USB_HUB/REF: R72.1 U1.4
/Main_USB_HUB/USB2_DN: U1.2 U14.46
/Main_USB_HUB/USB2_DP: U1.3 U14.47
/Main_USB_HUB/USB3_DN: U1.8 U3.32
/Main_USB_HUB/USB3_DP: R8.1 U1.9 U3.33
/Main_USB_HUB/USB4_DN: U1.11 U15.7
/Main_USB_HUB/USB4_DP: U1.12 U15.8
/Main_USB_HUB/USBC_DN: J16.A7 J16.B7 U1.25 U27.1
/Main_USB_HUB/USBC_DP: J16.A6 J16.B6 U1.26 U27.3
/Main_USB_HUB/USBC_VBUS: C70.1 C71.1 J16.A4 J16.A9 J16.B4 J16.B9 Q5.3 R79.2 TP21.1 U27.5
/Main_USB_HUB/XIN: C64.2 U1.7 Y5.1
/Main_USB_HUB/XOUT: C63.2 U1.6 Y5.2
/Main_USB_HUB/~{SUSPEND}: D17.1 R82.2 U1.18 U30.43
/PicoProbe/EN_PP: R60.2 U16.3 U30.3
/PicoProbe/PP5V: C33.1 J10.10 J11.10 J12.10 JP1.2 U16.1
/PicoProbe/PP_CONN11: J7.1 J10.8 J11.8 J12.8 U11.1 U14.6
/PicoProbe/PP_CONN12: J7.3 J10.7 J11.7 J12.7 U11.3 U14.8
/PicoProbe/PP_CONN21: J9.1 J10.2 J11.2 J12.2 U11.6 U14.15
/PicoProbe/PP_CONN22: J9.3 J10.4 J11.4 J12.4 U11.4 U14.17
/PicoProbe/PP_DVDD: C34.1 C35.1 C36.1 U14.23 U14.45 U14.50
/PicoProbe/PP_LED_DAP_CON: D11.2 U14.18
/PicoProbe/PP_LED_PWR: D8.2 U14.4
/PicoProbe/PP_LED_TARGET_RUN: D12.2 U14.27
/PicoProbe/PP_LED_UART_RX: D9.2 U14.9
/PicoProbe/PP_LED_UART_TX: D10.2 U14.11
/PicoProbe/PP_RST: TP13.1 U14.26
/PicoProbe/PP_VSYS: C31.1 C32.1 C37.1 C38.1 C39.1 C40.1 C41.1 C42.1 C43.1 C44.1 J10.1 J11.1 J12.1 U11.5 U13.8 U14.1 U14.10 U14.22 U14.33 U14.42 U14.43 U14.44 U14.48 U14.49 U16.5
/PicoProbe/QSPI_SCLK: U13.6 U14.52
/PicoProbe/QSPI_SD0: U13.5 U14.53
/PicoProbe/QSPI_SD1: U13.2 U14.55
/PicoProbe/QSPI_SD2: U13.3 U14.54
/PicoProbe/QSPI_SD3: U13.7 U14.51
/PicoProbe/QSPI_SS: SW4.1 U13.1 U14.56
/STLink/EN_STLINK: R31.2 U4.3 U30.13
/STLink/STL_CLK: J2.2 J3.2 J4.2 JP14.1 U3.26 U5.3
/STLink/STL_DIO: J2.4 J3.4 J4.4 JP13.1 R11.2 U3.27 U5.1
/STLink/STL_RST: J2.5 J3.5 J4.5 U3.18 U5.6
/STLink/STL_RXD: J2.7 J3.7 J4.7 U3.13 U6.4
/STLink/STL_SWO: J2.6 J3.6 J4.6 U3.31 U5.4
/STLink/STL_TXD: J2.8 J3.8 J4.8 U3.12 U6.3
/STLink/~{STLIINK_SDIO}: TP2.1 U3.34
/STLink/~{STLIINK_SWCLK}: TP1.1 U3.37
/STLink/~{STLINK_VBUS}: C9.1 C18.1 J2.10 J3.10 J4.10 JP5.2 R10.2 U4.1 U6.5
/STLink/~{STLINK_VSYS}: C1.1 C2.1 C3.1 C4.1 C8.2 C17.1 D1.2 J2.1 J3.1 J4.1 Q1.3 R1.1 R3.2 R14.1 SW1.1 U3.1 U3.9 U3.24 U3.36 U3.48 U4.5 U5.5
/Supervisor_MCU/D_RST: DS1.14 R88.2 U30.46
/Supervisor_MCU/D_SCL: DS1.18 R89.2 U30.47
/Supervisor_MCU/D_SDA: DS1.19 DS1.20 R90.2 U30.48
/Supervisor_MCU/OKSW: SW6.2 U30.19
/Supervisor_MCU/SELSW: SW5.2 U30.2
/Supervisor_MCU/SUP_3V3: C80.2 C81.2 C82.1 DS1.6 DS1.9 DS1.11 DS1.28 R89.1 R90.1 R91.1 R92.1 U30.4 U30.5 U30.6 U31.8 U32.5
/Supervisor_MCU/SUP_EN4: R71.2 U26.3 U30.14
/Supervisor_MCU/SUP_MISO: R63.2 R64.2 U17.4 U30.17
/Supervisor_MCU/SUP_MOSI: R63.1 U15.61 U17.3 U30.18
/Supervisor_MCU/SUP_NSS: U15.63 U17.1 U30.15
/Supervisor_MCU/SUP_SCK: U15.62 U17.2 U30.16
/USBHS_FTDI/FTDI_3V3: C50.1 C51.1 C52.1 C53.1 C60.1 C61.1 D21.2 FB1.1 FB2.1 J13.21 J13.22 J13.41 J13.42 J13.61 J13.62 R61.2 R64.1 R93.1 R94.1 R95.1 R96.1 U15.20 U15.31 U15.42 U15.50 U15.56 U17.8 U18.5 U19.5 U20.5 U21.5 U22.5 U23.5 U24.5 U25.5 U26.5
/USBHS_FTDI/RXD1: J13.5 J13.6 J14.3 SW7.11 U15.17 U25.4
/USBHS_FTDI/RXD2: J13.45 J13.46 J15.3 SW7.12 U15.39 U21.4
/USBHS_FTDI/RXLED1: D13.2 J13.29 J13.30 U15.29 U23.1
/USBHS_FTDI/RXLED2: D15.2 J13.69 J13.70 U15.54 U19.1
/USBHS_FTDI/SCL1: J13.9 J13.10 SW7.6 U15.19 U25.1
/USBHS_FTDI/SCL2: J13.49 J13.50 SW7.5 U15.41 U21.1
/USBHS_FTDI/SDA1: J13.7 J13.8 SW7.2 SW7.3 U15.18 U25.3
/USBHS_FTDI/SDA2: J13.47 J13.48 SW7.1 SW7.4 U15.40 U21.3
/USBHS_FTDI/TXD1: J13.3 J13.4 J14.1 U15.16 U25.6
/USBHS_FTDI/TXD2: J13.43 J13.44 J15.1 U15.38 U21.6
/USBHS_FTDI/TXLED1: D14.2 J13.31 J13.32 U15.30 U22.6
/USBHS_FTDI/TXLED2: D16.2 J13.71 J13.72 U15.55 U18.6
